# KiCad board solderCurved.kicad_pcb (continued)
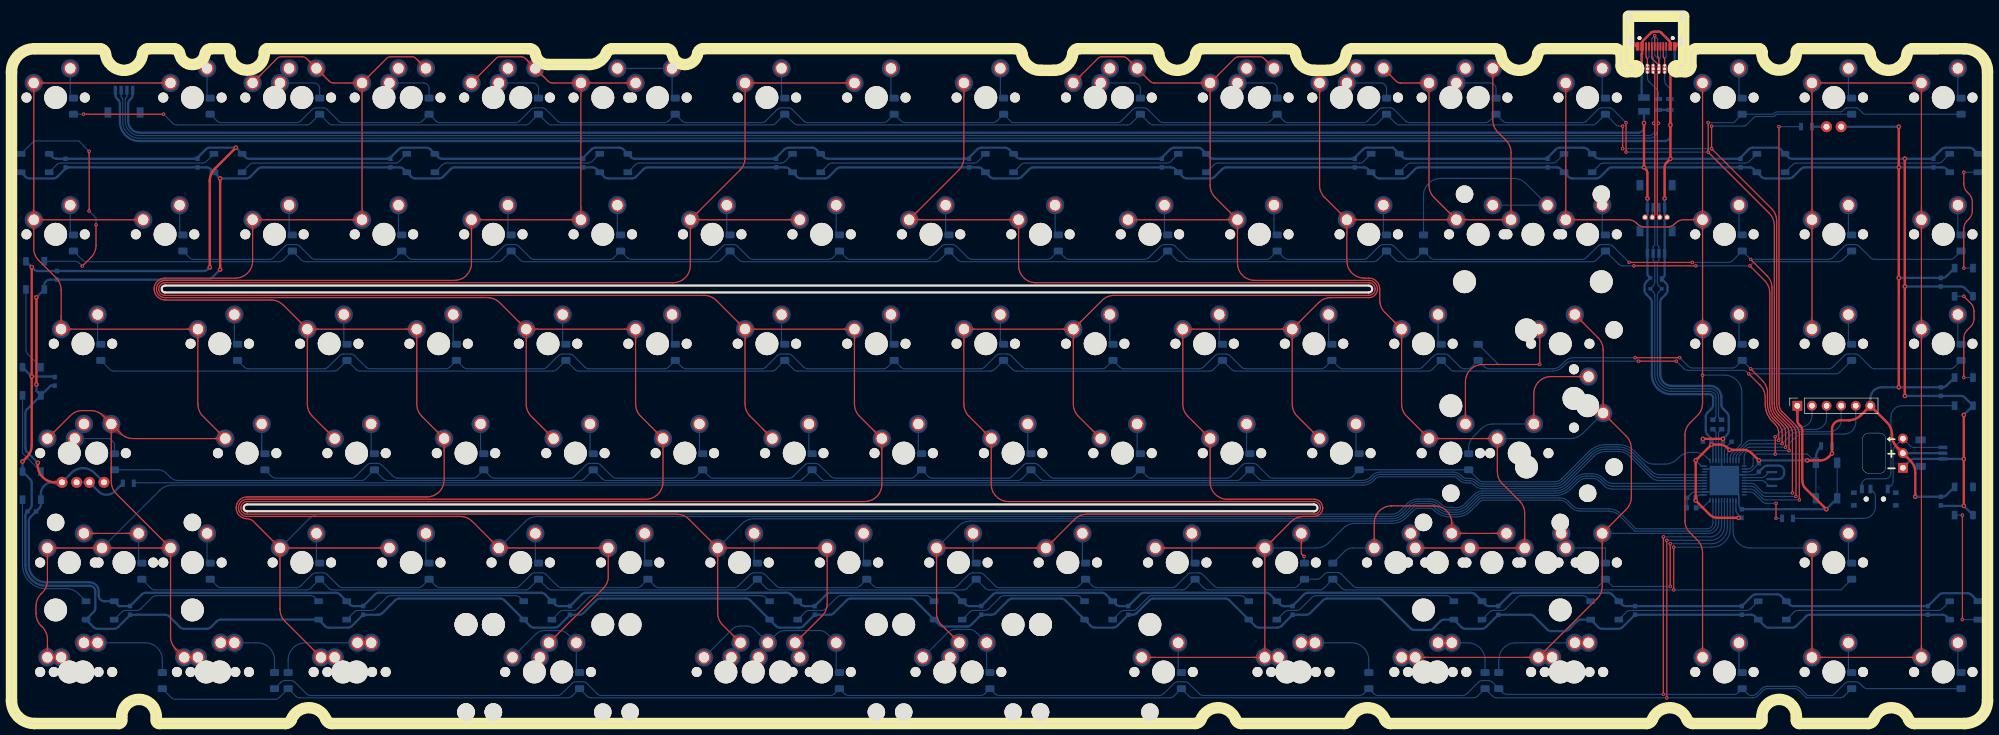
[diagram p0: board, top side]
## Copper pours and planes (outline as drawn; the poured copper is in the pictures) (continued)
Net-(D13-Pad2) on Bottom: 49.13,111.63 49.03,111.63 48.93,111.63 48.84,111.64 48.76,111.66 48.68,111.67 48.61,111.69 48.54,111.71 48.48,111.73 48.42,111.76 48.36,111.79 48.31,111.82 48.26,111.85 48.21,111.89 48.16,111.93 47.74,112.3 47.68,112.35 47.62,112.39 47.56,112.44 47.49,112.48 47.42,112.52 47.34,112.57 47.26,112.61 46.14,111.53 47.26,110.45 47.34,110.49 47.42,110.53 47.49,110.57 47.56,110.62 47.62,110.66 47.68,110.71 47.74,110.75 48.16,111.13 48.21,111.17 48.26,111.2 48.31,111.23 48.36,111.26 48.42,111.29 48.48,111.32 48.54,111.34 48.61,111.36 48.68,111.38 48.76,111.4 48.84,111.41 48.93,111.42 49.03,111.43 49.13,111.43
Net-(D13-Pad2) on Bottom: 53.55,110.08 53.11,109.15 53.65,108.59 54.19,109.15 53.75,110.08
Net-(D14-Pad2) on Bottom: 48.43,87.86 48.43,87.97 48.43,88.06 48.44,88.15 48.46,88.23 48.47,88.31 48.49,88.38 48.51,88.45 48.53,88.51 48.56,88.57 48.59,88.63 48.62,88.68 48.65,88.73 48.69,88.78 48.72,88.83 49.1,89.26 49.15,89.31 49.19,89.37 49.24,89.44 49.28,89.5 49.32,89.57 49.37,89.65 49.41,89.73 48.33,90.85 47.25,89.73 47.29,89.65 47.33,89.57 47.37,89.5 47.42,89.44 47.46,89.37 47.51,89.31 47.55,89.26 47.93,88.83 47.96,88.78 48,88.73 48.03,88.68 48.06,88.63 48.09,88.57 48.12,88.51 48.14,88.45 48.16,88.38 48.18,88.31 48.2,88.23 48.21,88.15 48.22,88.06 48.22,87.97 48.23,87.86
Net-(D14-Pad2) on Bottom: 48.43,87.06 48.43,87.2 48.44,87.33 48.45,87.45 48.47,87.56 48.49,87.66 48.51,87.76 48.54,87.85 48.58,87.93 48.61,88.01 48.65,88.09 48.69,88.16 48.74,88.23 48.79,88.29 48.84,88.35 48.89,88.41 48.94,88.48 49.23,88.78 49.29,88.85 49.36,88.92 49.42,89 49.48,89.08 49.54,89.16 49.6,89.25 49.65,89.34 49.71,89.45 49.77,89.56 48.33,91.05 46.89,89.56 46.94,89.45 47,89.34 47.06,89.25 47.12,89.16 47.18,89.08 47.24,89 47.3,88.92 47.36,88.85 47.42,88.78 47.71,88.48 47.76,88.41 47.82,88.35 47.87,88.29 47.91,88.23 47.96,88.16 48,88.09 48.04,88.01 48.08,87.93 48.11,87.85 48.14,87.76 48.17,87.66 48.19,87.56 48.2,87.45 48.22,87.33 48.22,87.2 48.23,87.06
Net-(D15-Pad2) on Bottom: 57.95,68.81 57.95,68.92 57.96,69.01 57.97,69.1 57.98,69.18 58,69.26 58.01,69.33 58.04,69.4 58.06,69.46 58.09,69.52 58.11,69.58 58.15,69.63 58.18,69.68 58.21,69.73 58.25,69.78 58.63,70.21 58.67,70.26 58.72,70.32 58.76,70.39 58.8,70.45 58.85,70.52 58.89,70.6 58.93,70.68 57.85,71.8 56.77,70.68 56.81,70.6 56.86,70.52 56.9,70.45 56.94,70.39 56.99,70.32 57.03,70.26 57.08,70.21 57.45,69.78 57.49,69.73 57.52,69.68 57.56,69.63 57.59,69.58 57.62,69.52 57.64,69.46 57.67,69.4 57.69,69.33 57.71,69.26 57.72,69.18 57.74,69.1 57.74,69.01 57.75,68.92 57.75,68.81
Net-(D15-Pad2) on Bottom: 57.95,68.01 57.95,68.15 57.96,68.28 57.97,68.4 57.99,68.51 58.01,68.61 58.04,68.71 58.07,68.8 58.1,68.88 58.14,68.96 58.18,69.04 58.22,69.11 58.26,69.18 58.31,69.24 58.36,69.3 58.41,69.36 58.47,69.43 58.76,69.73 58.82,69.8 58.88,69.87 58.94,69.95 59,70.03 59.06,70.11 59.12,70.2 59.18,70.29 59.24,70.4 59.29,70.51 57.85,72 56.41,70.51 56.47,70.4 56.52,70.29 56.58,70.2 56.64,70.11 56.7,70.03 56.76,69.95 56.82,69.87 56.88,69.8 56.94,69.73 57.23,69.43 57.29,69.36 57.34,69.3 57.39,69.24 57.44,69.18 57.48,69.11 57.53,69.04 57.57,68.96 57.6,68.88 57.64,68.8 57.67,68.71 57.69,68.61 57.71,68.51 57.73,68.4 57.74,68.28 57.75,68.15 57.75,68.01
Net-(D16-Pad2) on Bottom: 62.71,48.96 62.72,49.1 62.72,49.23 62.74,49.35 62.75,49.46 62.78,49.56 62.8,49.66 62.83,49.75 62.86,49.83 62.9,49.91 62.94,49.99 62.98,50.06 63.03,50.13 63.07,50.19 63.13,50.25 63.18,50.31 63.23,50.38 63.52,50.68 63.58,50.75 63.64,50.82 63.7,50.9 63.76,50.98 63.82,51.06 63.88,51.15 63.94,51.24 64,51.35 64.05,51.46 62.61,52.95 61.17,51.46 61.23,51.35 61.29,51.24 61.35,51.15 61.4,51.06 61.46,50.98 61.52,50.9 61.59,50.82 61.65,50.75 61.71,50.68 62,50.38 62.05,50.31 62.1,50.25 62.15,50.19 62.2,50.13 62.25,50.06 62.29,49.99 62.33,49.91 62.37,49.83 62.4,49.75 62.43,49.66 62.45,49.56 62.47,49.46 62.49,49.35 62.5,49.23 62.51,49.1 62.51,48.96
Net-(D16-Pad2) on Bottom: 62.71,49.76 62.72,49.87 62.72,49.96 62.73,50.05 62.74,50.13 62.76,50.21 62.78,50.28 62.8,50.35 62.82,50.41 62.85,50.47 62.88,50.53 62.91,50.58 62.94,50.63 62.98,50.68 63.01,50.73 63.39,51.16 63.43,51.21 63.48,51.27 63.52,51.34 63.57,51.4 63.61,51.47 63.65,51.55 63.69,51.63 62.61,52.75 61.53,51.63 61.58,51.55 61.62,51.47 61.66,51.4 61.7,51.34 61.75,51.27 61.79,51.21 61.84,51.16 62.22,50.73 62.25,50.68 62.29,50.63 62.32,50.58 62.35,50.53 62.38,50.47 62.41,50.41 62.43,50.35 62.45,50.28 62.47,50.21 62.49,50.13 62.5,50.05 62.51,49.96 62.51,49.87 62.51,49.76
Net-(D17-Pad2) on Bottom: 53.19,30.71 53.19,30.82 53.2,30.91 53.21,31 53.22,31.08 53.23,31.16 53.25,31.23 53.27,31.3 53.3,31.36 53.32,31.42 53.35,31.48 53.38,31.53 53.42,31.58 53.45,31.63 53.49,31.68 53.87,32.11 53.91,32.16 53.95,32.22 54,32.29 54.04,32.35 54.09,32.42 54.13,32.5 54.17,32.58 53.09,33.7 52.01,32.58 52.05,32.5 52.09,32.42 52.14,32.35 52.18,32.29 52.22,32.22 52.27,32.16 52.31,32.11 52.69,31.68 52.73,31.63 52.76,31.58 52.79,31.53 52.83,31.48 52.85,31.42 52.88,31.36 52.91,31.3 52.93,31.23 52.94,31.16 52.96,31.08 52.97,31 52.98,30.91 52.99,30.82 52.99,30.71
Net-(D17-Pad2) on Bottom: 53.19,29.91 53.19,30.05 53.2,30.18 53.21,30.3 53.23,30.41 53.25,30.51 53.28,30.61 53.3,30.7 53.34,30.78 53.37,30.86 53.41,30.94 53.46,31.01 53.5,31.08 53.55,31.14 53.6,31.2 53.65,31.26 53.71,31.33 54,31.63 54.06,31.7 54.12,31.77 54.18,31.85 54.24,31.93 54.3,32.01 54.36,32.1 54.42,32.19 54.47,32.3 54.53,32.41 53.09,33.9 51.65,32.41 51.7,32.3 51.76,32.19 51.82,32.1 51.88,32.01 51.94,31.93 52,31.85 52.06,31.77 52.12,31.7 52.18,31.63 52.47,31.33 52.53,31.26 52.58,31.2 52.63,31.14 52.68,31.08 52.72,31.01 52.76,30.94 52.8,30.86 52.84,30.78 52.87,30.7 52.9,30.61 52.93,30.51 52.95,30.41 52.97,30.3 52.98,30.18 52.99,30.05 52.99,29.91
Net-(D18-Pad2) on Bottom: 57.04,13.95 57.18,13.95 57.31,13.94 57.43,13.93 57.54,13.91 57.64,13.89 57.74,13.87 57.83,13.84 57.91,13.81 57.99,13.77 58.07,13.73 58.14,13.69 58.2,13.64 58.27,13.59 58.33,13.54 58.39,13.49 58.45,13.44 58.76,13.15 58.83,13.09 58.9,13.03 58.98,12.97 59.05,12.91 59.14,12.85 59.23,12.79 59.32,12.73 59.43,12.67 59.54,12.61 61.03,14.05 59.54,15.49 59.43,15.44 59.32,15.38 59.23,15.32 59.14,15.26 59.05,15.2 58.98,15.14 58.9,15.08 58.83,15.02 58.76,14.96 58.45,14.67 58.39,14.62 58.33,14.57 58.27,14.52 58.2,14.47 58.14,14.42 58.07,14.38 57.99,14.34 57.91,14.3 57.83,14.27 57.74,14.24 57.64,14.22 57.54,14.19 57.43,14.18 57.31,14.16 57.18,14.16 57.04,14.15
Net-(D18-Pad2) on Bottom: 48.07,10.06 47.63,9.14 48.17,8.57 48.71,9.14 48.27,10.06
Net-(D18-Pad2) on Bottom: 57.84,13.95 57.94,13.95 58.04,13.95 58.13,13.94 58.21,13.93 58.29,13.91 58.36,13.89 58.43,13.87 58.49,13.85 58.55,13.82 58.61,13.79 58.66,13.76 58.71,13.73 58.76,13.69 58.81,13.66 59.24,13.28 59.29,13.23 59.35,13.19 59.41,13.15 59.48,13.1 59.55,13.06 59.63,13.02 59.71,12.97 60.83,14.05 59.71,15.13 59.63,15.09 59.55,15.05 59.48,15.01 59.41,14.96 59.35,14.92 59.29,14.88 59.24,14.83 58.81,14.45 58.76,14.42 58.71,14.38 58.66,14.35 58.61,14.32 58.55,14.29 58.49,14.26 58.43,14.24 58.36,14.22 58.29,14.2 58.21,14.18 58.13,14.17 58.04,14.16 57.94,14.16 57.84,14.15
Net-(D19-Pad2) on Bottom: 72.6,110.08 72.16,109.15 72.7,108.59 73.24,109.15 72.8,110.08
Net-(D19-Pad2) on Bottom: 68.18,111.63 68.08,111.63 67.98,111.63 67.89,111.64 67.81,111.66 67.73,111.67 67.66,111.69 67.59,111.71 67.53,111.73 67.47,111.76 67.41,111.79 67.36,111.82 67.31,111.85 67.26,111.89 67.21,111.93 66.79,112.3 66.73,112.35 66.67,112.39 66.61,112.44 66.54,112.48 66.47,112.52 66.39,112.57 66.31,112.61 65.19,111.53 66.31,110.45 66.39,110.49 66.47,110.53 66.54,110.57 66.61,110.62 66.67,110.66 66.73,110.71 66.79,110.75 67.21,111.13 67.26,111.17 67.31,111.2 67.36,111.23 67.41,111.26 67.47,111.29 67.53,111.32 67.59,111.34 67.66,111.36 67.73,111.38 67.81,111.4 67.89,111.41 67.98,111.42 68.08,111.43 68.18,111.43
Net-(D19-Pad2) on Bottom: 68.98,111.63 68.84,111.63 68.71,111.64 68.6,111.65 68.49,111.67 68.38,111.69 68.29,111.71 68.2,111.74 68.11,111.78 68.03,111.81 67.96,111.85 67.89,111.89 67.82,111.94 67.75,111.99 67.69,112.04 67.63,112.09 67.57,112.14 67.26,112.43 67.19,112.49 67.12,112.56 67.05,112.62 66.97,112.68 66.88,112.74 66.79,112.8 66.7,112.85 66.6,112.91 66.49,112.97 64.99,111.53 66.49,110.09 66.6,110.14 66.7,110.2 66.79,110.26 66.88,110.32 66.97,110.38 67.05,110.44 67.12,110.5 67.19,110.56 67.26,110.62 67.57,110.91 67.63,110.96 67.69,111.02 67.75,111.07 67.82,111.11 67.89,111.16 67.96,111.2 68.03,111.24 68.11,111.28 68.2,111.31 68.29,111.34 68.38,111.37 68.49,111.39 68.6,111.4 68.71,111.42 68.84,111.42 68.98,111.43
Net-(D20-Pad2) on Bottom: 67.48,87.06 67.48,87.2 67.49,87.33 67.5,87.45 67.52,87.56 67.54,87.66 67.56,87.76 67.59,87.85 67.63,87.93 67.66,88.01 67.7,88.09 67.74,88.16 67.79,88.23 67.84,88.29 67.89,88.35 67.94,88.41 67.99,88.48 68.28,88.78 68.34,88.85 68.41,88.92 68.47,89 68.53,89.08 68.59,89.16 68.65,89.25 68.7,89.34 68.76,89.45 68.82,89.56 67.38,91.05 65.94,89.56 65.99,89.45 66.05,89.34 66.11,89.25 66.17,89.16 66.23,89.08 66.29,89 66.35,88.92 66.41,88.85 66.47,88.78 66.76,88.48 66.81,88.41 66.87,88.35 66.92,88.29 66.96,88.23 67.01,88.16 67.05,88.09 67.09,88.01 67.13,87.93 67.16,87.85 67.19,87.76 67.22,87.66 67.24,87.56 67.25,87.45 67.27,87.33 67.27,87.2 67.28,87.06
Net-(D20-Pad2) on Bottom: 67.48,87.86 67.48,87.97 67.48,88.06 67.49,88.15 67.51,88.23 67.52,88.31 67.54,88.38 67.56,88.45 67.58,88.51 67.61,88.57 67.64,88.63 67.67,88.68 67.7,88.73 67.74,88.78 67.77,88.83 68.15,89.26 68.2,89.31 68.24,89.37 68.29,89.44 68.33,89.5 68.37,89.57 68.42,89.65 68.46,89.73 67.38,90.85 66.3,89.73 66.34,89.65 66.38,89.57 66.42,89.5 66.47,89.44 66.51,89.37 66.56,89.31 66.6,89.26 66.98,88.83 67.01,88.78 67.05,88.73 67.08,88.68 67.11,88.63 67.14,88.57 67.17,88.51 67.19,88.45 67.21,88.38 67.23,88.31 67.25,88.23 67.26,88.15 67.27,88.06 67.27,87.97 67.28,87.86
Net-(D21-Pad2) on Bottom: 77,68.81 77,68.92 77.01,69.01 77.02,69.1 77.03,69.18 77.05,69.26 77.06,69.33 77.09,69.4 77.11,69.46 77.14,69.52 77.16,69.58 77.2,69.63 77.23,69.68 77.26,69.73 77.3,69.78 77.68,70.21 77.72,70.26 77.77,70.32 77.81,70.39 77.85,70.45 77.9,70.52 77.94,70.6 77.98,70.68 76.9,71.8 75.82,70.68 75.86,70.6 75.91,70.52 75.95,70.45 75.99,70.39 76.04,70.32 76.08,70.26 76.13,70.21 76.5,69.78 76.54,69.73 76.57,69.68 76.61,69.63 76.64,69.58 76.67,69.52 76.69,69.46 76.72,69.4 76.74,69.33 76.76,69.26 76.77,69.18 76.79,69.1 76.79,69.01 76.8,68.92 76.8,68.81
Net-(D21-Pad2) on Bottom: 77,68.01 77,68.15 77.01,68.28 77.02,68.4 77.04,68.51 77.06,68.61 77.09,68.71 77.12,68.8 77.15,68.88 77.19,68.96 77.23,69.04 77.27,69.11 77.31,69.18 77.36,69.24 77.41,69.3 77.46,69.36 77.52,69.43 77.81,69.73 77.87,69.8 77.93,69.87 77.99,69.95 78.05,70.03 78.11,70.11 78.17,70.2 78.23,70.29 78.29,70.4 78.34,70.51 76.9,72 75.46,70.51 75.52,70.4 75.57,70.29 75.63,70.2 75.69,70.11 75.75,70.03 75.81,69.95 75.87,69.87 75.93,69.8 75.99,69.73 76.28,69.43 76.34,69.36 76.39,69.3 76.44,69.24 76.49,69.18 76.53,69.11 76.58,69.04 76.62,68.96 76.65,68.88 76.69,68.8 76.72,68.71 76.74,68.61 76.76,68.51 76.78,68.4 76.79,68.28 76.8,68.15 76.8,68.01
Net-(D22-Pad2) on Bottom: 81.76,48.96 81.77,49.1 81.77,49.23 81.79,49.35 81.8,49.46 81.83,49.56 81.85,49.66 81.88,49.75 81.91,49.83 81.95,49.91 81.99,49.99 82.03,50.06 82.08,50.13 82.12,50.19 82.18,50.25 82.23,50.31 82.28,50.38 82.57,50.68 82.63,50.75 82.69,50.82 82.75,50.9 82.81,50.98 82.87,51.06 82.93,51.15 82.99,51.24 83.05,51.35 83.1,51.46 81.66,52.95 80.22,51.46 80.28,51.35 80.34,51.24 80.4,51.15 80.45,51.06 80.51,50.98 80.57,50.9 80.64,50.82 80.7,50.75 80.76,50.68 81.05,50.38 81.1,50.31 81.15,50.25 81.2,50.19 81.25,50.13 81.3,50.06 81.34,49.99 81.38,49.91 81.42,49.83 81.45,49.75 81.48,49.66 81.5,49.56 81.52,49.46 81.54,49.35 81.55,49.23 81.56,49.1 81.56,48.96
Net-(D22-Pad2) on Bottom: 81.76,49.76 81.77,49.87 81.77,49.96 81.78,50.05 81.79,50.13 81.81,50.21 81.83,50.28 81.85,50.35 81.87,50.41 81.9,50.47 81.93,50.53 81.96,50.58 81.99,50.63 82.03,50.68 82.06,50.73 82.44,51.16 82.48,51.21 82.53,51.27 82.57,51.34 82.62,51.4 82.66,51.47 82.7,51.55 82.74,51.63 81.66,52.75 80.58,51.63 80.63,51.55 80.67,51.47 80.71,51.4 80.75,51.34 80.8,51.27 80.84,51.21 80.89,51.16 81.27,50.73 81.3,50.68 81.34,50.63 81.37,50.58 81.4,50.53 81.43,50.47 81.46,50.41 81.48,50.35 81.5,50.28 81.52,50.21 81.54,50.13 81.55,50.05 81.56,49.96 81.56,49.87 81.56,49.76
Net-(D23-Pad2) on Bottom: 72.24,30.71 72.24,30.82 72.25,30.91 72.26,31 72.27,31.08 72.28,31.16 72.3,31.23 72.32,31.3 72.35,31.36 72.37,31.42 72.4,31.48 72.43,31.53 72.47,31.58 72.5,31.63 72.54,31.68 72.92,32.11 72.96,32.16 73,32.22 73.05,32.29 73.09,32.35 73.14,32.42 73.18,32.5 73.22,32.58 72.14,33.7 71.06,32.58 71.1,32.5 71.14,32.42 71.19,32.35 71.23,32.29 71.27,32.22 71.32,32.16 71.36,32.11 71.74,31.68 71.78,31.63 71.81,31.58 71.84,31.53 71.88,31.48 71.9,31.42 71.93,31.36 71.96,31.3 71.98,31.23 71.99,31.16 72.01,31.08 72.02,31 72.03,30.91 72.04,30.82 72.04,30.71
Net-(D23-Pad2) on Bottom: 72.24,29.91 72.24,30.05 72.25,30.18 72.26,30.3 72.28,30.41 72.3,30.51 72.33,30.61 72.35,30.7 72.39,30.78 72.42,30.86 72.46,30.94 72.51,31.01 72.55,31.08 72.6,31.14 72.65,31.2 72.7,31.26 72.76,31.33 73.05,31.63 73.11,31.7 73.17,31.77 73.23,31.85 73.29,31.93 73.35,32.01 73.41,32.1 73.47,32.19 73.52,32.3 73.58,32.41 72.14,33.9 70.7,32.41 70.75,32.3 70.81,32.19 70.87,32.1 70.93,32.01 70.99,31.93 71.05,31.85 71.11,31.77 71.17,31.7 71.23,31.63 71.52,31.33 71.58,31.26 71.63,31.2 71.68,31.14 71.73,31.08 71.77,31.01 71.81,30.94 71.85,30.86 71.89,30.78 71.92,30.7 71.95,30.61 71.98,30.51 72,30.41 72.02,30.3 72.03,30.18 72.04,30.05 72.04,29.91
Net-(D24-Pad2) on Bottom: 91.65,110.08 91.21,109.15 91.75,108.59 92.29,109.15 91.85,110.08
Net-(D24-Pad2) on Bottom: 88.03,111.63 87.89,111.63 87.76,111.64 87.65,111.65 87.54,111.67 87.43,111.69 87.34,111.71 87.25,111.74 87.16,111.78 87.08,111.81 87.01,111.85 86.94,111.89 86.87,111.94 86.8,111.99 86.74,112.04 86.68,112.09 86.62,112.14 86.31,112.43 86.24,112.49 86.17,112.56 86.1,112.62 86.02,112.68 85.93,112.74 85.84,112.8 85.75,112.85 85.65,112.91 85.54,112.97 84.04,111.53 85.54,110.09 85.65,110.14 85.75,110.2 85.84,110.26 85.93,110.32 86.02,110.38 86.1,110.44 86.17,110.5 86.24,110.56 86.31,110.62 86.62,110.91 86.68,110.96 86.74,111.02 86.8,111.07 86.87,111.11 86.94,111.16 87.01,111.2 87.08,111.24 87.16,111.28 87.25,111.31 87.34,111.34 87.43,111.37 87.54,111.39 87.65,111.4 87.76,111.42 87.89,111.42 88.03,111.43
Net-(D24-Pad2) on Bottom: 87.23,111.63 87.13,111.63 87.03,111.63 86.94,111.64 86.86,111.66 86.78,111.67 86.71,111.69 86.64,111.71 86.58,111.73 86.52,111.76 86.46,111.79 86.41,111.82 86.36,111.85 86.31,111.89 86.26,111.93 85.84,112.3 85.78,112.35 85.72,112.39 85.66,112.44 85.59,112.48 85.52,112.52 85.44,112.57 85.36,112.61 84.24,111.53 85.36,110.45 85.44,110.49 85.52,110.53 85.59,110.57 85.66,110.62 85.72,110.66 85.78,110.71 85.84,110.75 86.26,111.13 86.31,111.17 86.36,111.2 86.41,111.23 86.46,111.26 86.52,111.29 86.58,111.32 86.64,111.34 86.71,111.36 86.78,111.38 86.86,111.4 86.94,111.41 87.03,111.42 87.13,111.43 87.23,111.43
Net-(D25-Pad2) on Bottom: 86.53,87.06 86.53,87.2 86.54,87.33 86.55,87.45 86.57,87.56 86.59,87.66 86.61,87.76 86.64,87.85 86.68,87.93 86.71,88.01 86.75,88.09 86.79,88.16 86.84,88.23 86.89,88.29 86.94,88.35 86.99,88.41 87.04,88.48 87.33,88.78 87.39,88.85 87.46,88.92 87.52,89 87.58,89.08 87.64,89.16 87.7,89.25 87.75,89.34 87.81,89.45 87.87,89.56 86.43,91.05 84.99,89.56 85.04,89.45 85.1,89.34 85.16,89.25 85.22,89.16 85.28,89.08 85.34,89 85.4,88.92 85.46,88.85 85.52,88.78 85.81,88.48 85.86,88.41 85.92,88.35 85.97,88.29 86.01,88.23 86.06,88.16 86.1,88.09 86.14,88.01 86.18,87.93 86.21,87.85 86.24,87.76 86.27,87.66 86.29,87.56 86.3,87.45 86.32,87.33 86.32,87.2 86.33,87.06
Net-(D25-Pad2) on Bottom: 86.53,87.86 86.53,87.97 86.53,88.06 86.54,88.15 86.56,88.23 86.57,88.31 86.59,88.38 86.61,88.45 86.63,88.51 86.66,88.57 86.69,88.63 86.72,88.68 86.75,88.73 86.79,88.78 86.82,88.83 87.2,89.26 87.25,89.31 87.29,89.37 87.34,89.44 87.38,89.5 87.42,89.57 87.47,89.65 87.51,89.73 86.43,90.85 85.35,89.73 85.39,89.65 85.43,89.57 85.47,89.5 85.52,89.44 85.56,89.37 85.61,89.31 85.65,89.26 86.03,88.83 86.06,88.78 86.1,88.73 86.13,88.68 86.16,88.63 86.19,88.57 86.22,88.51 86.24,88.45 86.26,88.38 86.28,88.31 86.3,88.23 86.31,88.15 86.32,88.06 86.32,87.97 86.33,87.86
Net-(D26-Pad2) on Bottom: 96.05,68.01 96.05,68.15 96.06,68.28 96.07,68.4 96.09,68.51 96.11,68.61 96.14,68.71 96.17,68.8 96.2,68.88 96.24,68.96 96.28,69.04 96.32,69.11 96.36,69.18 96.41,69.24 96.46,69.3 96.51,69.36 96.57,69.43 96.86,69.73 96.92,69.8 96.98,69.87 97.04,69.95 97.1,70.03 97.16,70.11 97.22,70.2 97.28,70.29 97.34,70.4 97.39,70.51 95.95,72 94.51,70.51 94.57,70.4 94.62,70.29 94.68,70.2 94.74,70.11 94.8,70.03 94.86,69.95 94.92,69.87 94.98,69.8 95.04,69.73 95.33,69.43 95.39,69.36 95.44,69.3 95.49,69.24 95.54,69.18 95.58,69.11 95.63,69.04 95.67,68.96 95.7,68.88 95.74,68.8 95.77,68.71 95.79,68.61 95.81,68.51 95.83,68.4 95.84,68.28 95.85,68.15 95.85,68.01
Net-(D26-Pad2) on Bottom: 96.05,68.81 96.05,68.92 96.06,69.01 96.07,69.1 96.08,69.18 96.1,69.26 96.11,69.33 96.14,69.4 96.16,69.46 96.19,69.52 96.21,69.58 96.25,69.63 96.28,69.68 96.31,69.73 96.35,69.78 96.73,70.21 96.77,70.26 96.82,70.32 96.86,70.39 96.9,70.45 96.95,70.52 96.99,70.6 97.03,70.68 95.95,71.8 94.87,70.68 94.91,70.6 94.96,70.52 95,70.45 95.04,70.39 95.09,70.32 95.13,70.26 95.18,70.21 95.55,69.78 95.59,69.73 95.62,69.68 95.66,69.63 95.69,69.58 95.72,69.52 95.74,69.46 95.77,69.4 95.79,69.33 95.81,69.26 95.82,69.18 95.84,69.1 95.84,69.01 95.85,68.92 95.85,68.81
Net-(D27-Pad2) on Bottom: 100.81,48.96 100.82,49.1 100.82,49.23 100.84,49.35 100.85,49.46 100.88,49.56 100.9,49.66 100.93,49.75 100.96,49.83 101,49.91 101.04,49.99 101.08,50.06 101.13,50.13 101.17,50.19 101.23,50.25 101.28,50.31 101.33,50.38 101.62,50.68 101.68,50.75 101.74,50.82 101.8,50.9 101.86,50.98 101.92,51.06 101.98,51.15 102.04,51.24 102.1,51.35 102.15,51.46 100.71,52.95 99.27,51.46 99.33,51.35 99.39,51.24 99.45,51.15 99.5,51.06 99.56,50.98 99.62,50.9 99.69,50.82 99.75,50.75 99.81,50.68 100.1,50.38 100.15,50.31 100.2,50.25 100.25,50.19 100.3,50.13 100.35,50.06 100.39,49.99 100.43,49.91 100.47,49.83 100.5,49.75 100.53,49.66 100.55,49.56 100.57,49.46 100.59,49.35 100.6,49.23 100.61,49.1 100.61,48.96
Net-(D27-Pad2) on Bottom: 100.81,49.76 100.82,49.87 100.82,49.96 100.83,50.05 100.84,50.13 100.86,50.21 100.88,50.28 100.9,50.35 100.92,50.41 100.95,50.47 100.98,50.53 101.01,50.58 101.04,50.63 101.08,50.68 101.11,50.73 101.49,51.16 101.53,51.21 101.58,51.27 101.62,51.34 101.67,51.4 101.71,51.47 101.75,51.55 101.79,51.63 100.71,52.75 99.63,51.63 99.68,51.55 99.72,51.47 99.76,51.4 99.8,51.34 99.85,51.27 99.89,51.21 99.94,51.16 100.32,50.73 100.35,50.68 100.39,50.63 100.42,50.58 100.45,50.53 100.48,50.47 100.51,50.41 100.53,50.35 100.55,50.28 100.57,50.21 100.59,50.13 100.6,50.05 100.61,49.96 100.61,49.87 100.61,49.76
Net-(D28-Pad2) on Bottom: 91.29,29.91 91.29,30.05 91.3,30.18 91.31,30.3 91.33,30.41 91.35,30.51 91.38,30.61 91.4,30.7 91.44,30.78 91.47,30.86 91.51,30.94 91.56,31.01 91.6,31.08 91.65,31.14 91.7,31.2 91.75,31.26 91.81,31.33 92.1,31.63 92.16,31.7 92.22,31.77 92.28,31.85 92.34,31.93 92.4,32.01 92.46,32.1 92.52,32.19 92.57,32.3 92.63,32.41 91.19,33.9 89.75,32.41 89.8,32.3 89.86,32.19 89.92,32.1 89.98,32.01 90.04,31.93 90.1,31.85 90.16,31.77 90.22,31.7 90.28,31.63 90.57,31.33 90.63,31.26 90.68,31.2 90.73,31.14 90.78,31.08 90.82,31.01 90.86,30.94 90.9,30.86 90.94,30.78 90.97,30.7 91,30.61 91.03,30.51 91.05,30.41 91.07,30.3 91.08,30.18 91.09,30.05 91.09,29.91
Net-(D28-Pad2) on Bottom: 91.29,30.71 91.29,30.82 91.3,30.91 91.31,31 91.32,31.08 91.33,31.16 91.35,31.23 91.37,31.3 91.4,31.36 91.42,31.42 91.45,31.48 91.48,31.53 91.52,31.58 91.55,31.63 91.59,31.68 91.97,32.11 92.01,32.16 92.05,32.22 92.1,32.29 92.14,32.35 92.19,32.42 92.23,32.5 92.27,32.58 91.19,33.7 90.11,32.58 90.15,32.5 90.19,32.42 90.24,32.35 90.28,32.29 90.32,32.22 90.37,32.16 90.41,32.11 90.79,31.68 90.83,31.63 90.86,31.58 90.89,31.53 90.93,31.48 90.95,31.42 90.98,31.36 91.01,31.3 91.03,31.23 91.04,31.16 91.06,31.08 91.07,31 91.08,30.91 91.09,30.82 91.09,30.71
Net-(D29-Pad2) on Bottom: 115.1,111.68 115.1,111.78 115.11,111.87 115.12,111.96 115.13,112.05 115.15,112.12 115.16,112.19 115.19,112.26 115.21,112.33 115.24,112.39 115.26,112.44 115.3,112.5 115.33,112.55 115.36,112.6 115.4,112.64 115.78,113.07 115.82,113.13 115.87,113.19 115.91,113.25 115.95,113.31 116,113.39 116.04,113.46 116.08,113.54 115,114.67 113.92,113.54 113.96,113.46 114.01,113.39 114.05,113.31 114.09,113.25 114.14,113.19 114.18,113.13 114.23,113.07 114.6,112.64 114.64,112.6 114.67,112.55 114.71,112.5 114.74,112.44 114.77,112.39 114.79,112.33 114.82,112.26 114.84,112.19 114.86,112.12 114.87,112.05 114.89,111.96 114.89,111.87 114.9,111.78 114.9,111.68
Net-(D29-Pad2) on Bottom: 108.67,114.17 108.53,114.17 108.4,114.18 108.28,114.19 108.17,114.21 108.07,114.23 107.97,114.25 107.88,114.28 107.8,114.32 107.72,114.35 107.64,114.39 107.57,114.43 107.51,114.48 107.44,114.53 107.38,114.58 107.32,114.63 107.26,114.68 106.95,114.97 106.88,115.03 106.81,115.1 106.73,115.16 106.66,115.22 106.57,115.28 106.48,115.34 106.39,115.39 106.28,115.45 106.17,115.51 104.68,114.07 106.17,112.63 106.28,112.68 106.39,112.74 106.48,112.8 106.57,112.86 106.66,112.92 106.73,112.98 106.81,113.04 106.88,113.1 106.95,113.16 107.26,113.45 107.32,113.5 107.38,113.56 107.44,113.61 107.51,113.65 107.57,113.7 107.64,113.74 107.72,113.78 107.8,113.82 107.88,113.85 107.97,113.88 108.07,113.91 108.17,113.93 108.28,113.94 108.4,113.96 108.53,113.96 108.67,113.97
Net-(D29-Pad2) on Bottom: 107.87,114.17 107.76,114.17 107.67,114.17 107.58,114.18 107.5,114.2 107.42,114.21 107.35,114.23 107.28,114.25 107.22,114.27 107.16,114.3 107.1,114.33 107.05,114.36 107,114.39 106.95,114.43 106.9,114.47 106.47,114.84 106.42,114.89 106.36,114.93 106.3,114.98 106.23,115.02 106.16,115.06 106.08,115.11 106,115.15 104.88,114.07 106,112.99 106.08,113.03 106.16,113.07 106.23,113.11 106.3,113.16 106.36,113.2 106.42,113.25 106.47,113.29 106.9,113.67 106.95,113.71 107,113.74 107.05,113.77 107.1,113.8 107.16,113.83 107.22,113.86 107.28,113.88 107.35,113.9 107.42,113.92 107.5,113.94 107.58,113.95 107.67,113.96 107.76,113.97 107.87,113.97
Net-(D29-Pad2) on Bottom: 111.81,113.97 111.95,113.96 112.08,113.96 112.19,113.94 112.31,113.93 112.41,113.91 112.5,113.88 112.6,113.85 112.68,113.82 112.76,113.78 112.83,113.74 112.9,113.7 112.97,113.65 113.04,113.61 113.1,113.56 113.16,113.5 113.22,113.45 113.53,113.16 113.6,113.1 113.67,113.04 113.74,112.98 113.82,112.92 113.91,112.86 114,112.8 114.09,112.74 114.19,112.68 114.3,112.63 115.8,114.07 114.3,115.51 114.19,115.45 114.09,115.39 114,115.34 113.91,115.28 113.82,115.22 113.74,115.16 113.67,115.1 113.6,115.03 113.53,114.97 113.22,114.68 113.16,114.63 113.1,114.58 113.04,114.53 112.97,114.48 112.9,114.43 112.83,114.39 112.76,114.35 112.68,114.32 112.6,114.28 112.5,114.25 112.41,114.23 112.31,114.21 112.19,114.19 112.08,114.18 111.95,114.17 111.81,114.17
Net-(D29-Pad2) on Bottom: 115.1,110.88 115.1,111.01 115.11,111.14 115.12,111.26 115.14,111.37 115.16,111.47 115.19,111.57 115.22,111.66 115.25,111.74 115.29,111.82 115.33,111.9 115.37,111.97 115.41,112.04 115.46,112.1 115.51,112.17 115.56,112.23 115.62,112.29 115.91,112.6 115.97,112.66 116.03,112.73 116.09,112.81 116.15,112.89 116.21,112.97 116.27,113.06 116.33,113.16 116.39,113.26 116.44,113.37 115,114.87 113.56,113.37 113.62,113.26 113.67,113.16 113.73,113.06 113.79,112.97 113.85,112.89 113.91,112.81 113.97,112.73 114.03,112.66 114.09,112.6 114.38,112.29 114.44,112.23 114.49,112.17 114.54,112.1 114.59,112.04 114.63,111.97 114.68,111.9 114.72,111.82 114.75,111.74 114.79,111.66 114.82,111.57 114.84,111.47 114.86,111.37 114.88,111.26 114.89,111.14 114.9,111.01 114.9,110.88
Net-(D29-Pad2) on Bottom: 112.61,113.97 112.71,113.97 112.81,113.96 112.9,113.95 112.98,113.94 113.06,113.92 113.13,113.9 113.2,113.88 113.26,113.86 113.32,113.83 113.38,113.8 113.43,113.77 113.48,113.74 113.53,113.71 113.58,113.67 114.01,113.29 114.06,113.25 114.12,113.2 114.18,113.16 114.25,113.11 114.32,113.07 114.4,113.03 114.48,112.99 115.6,114.07 114.48,115.15 114.4,115.11 114.32,115.06 114.25,115.02 114.18,114.98 114.12,114.93 114.06,114.89 114.01,114.84 113.58,114.47 113.53,114.43 113.48,114.39 113.43,114.36 113.38,114.33 113.32,114.3 113.26,114.27 113.2,114.25 113.13,114.23 113.06,114.21 112.98,114.2 112.9,114.18 112.81,114.17 112.71,114.17 112.61,114.17
